# KiCad board helios-panel.kicad_pcb (continued)
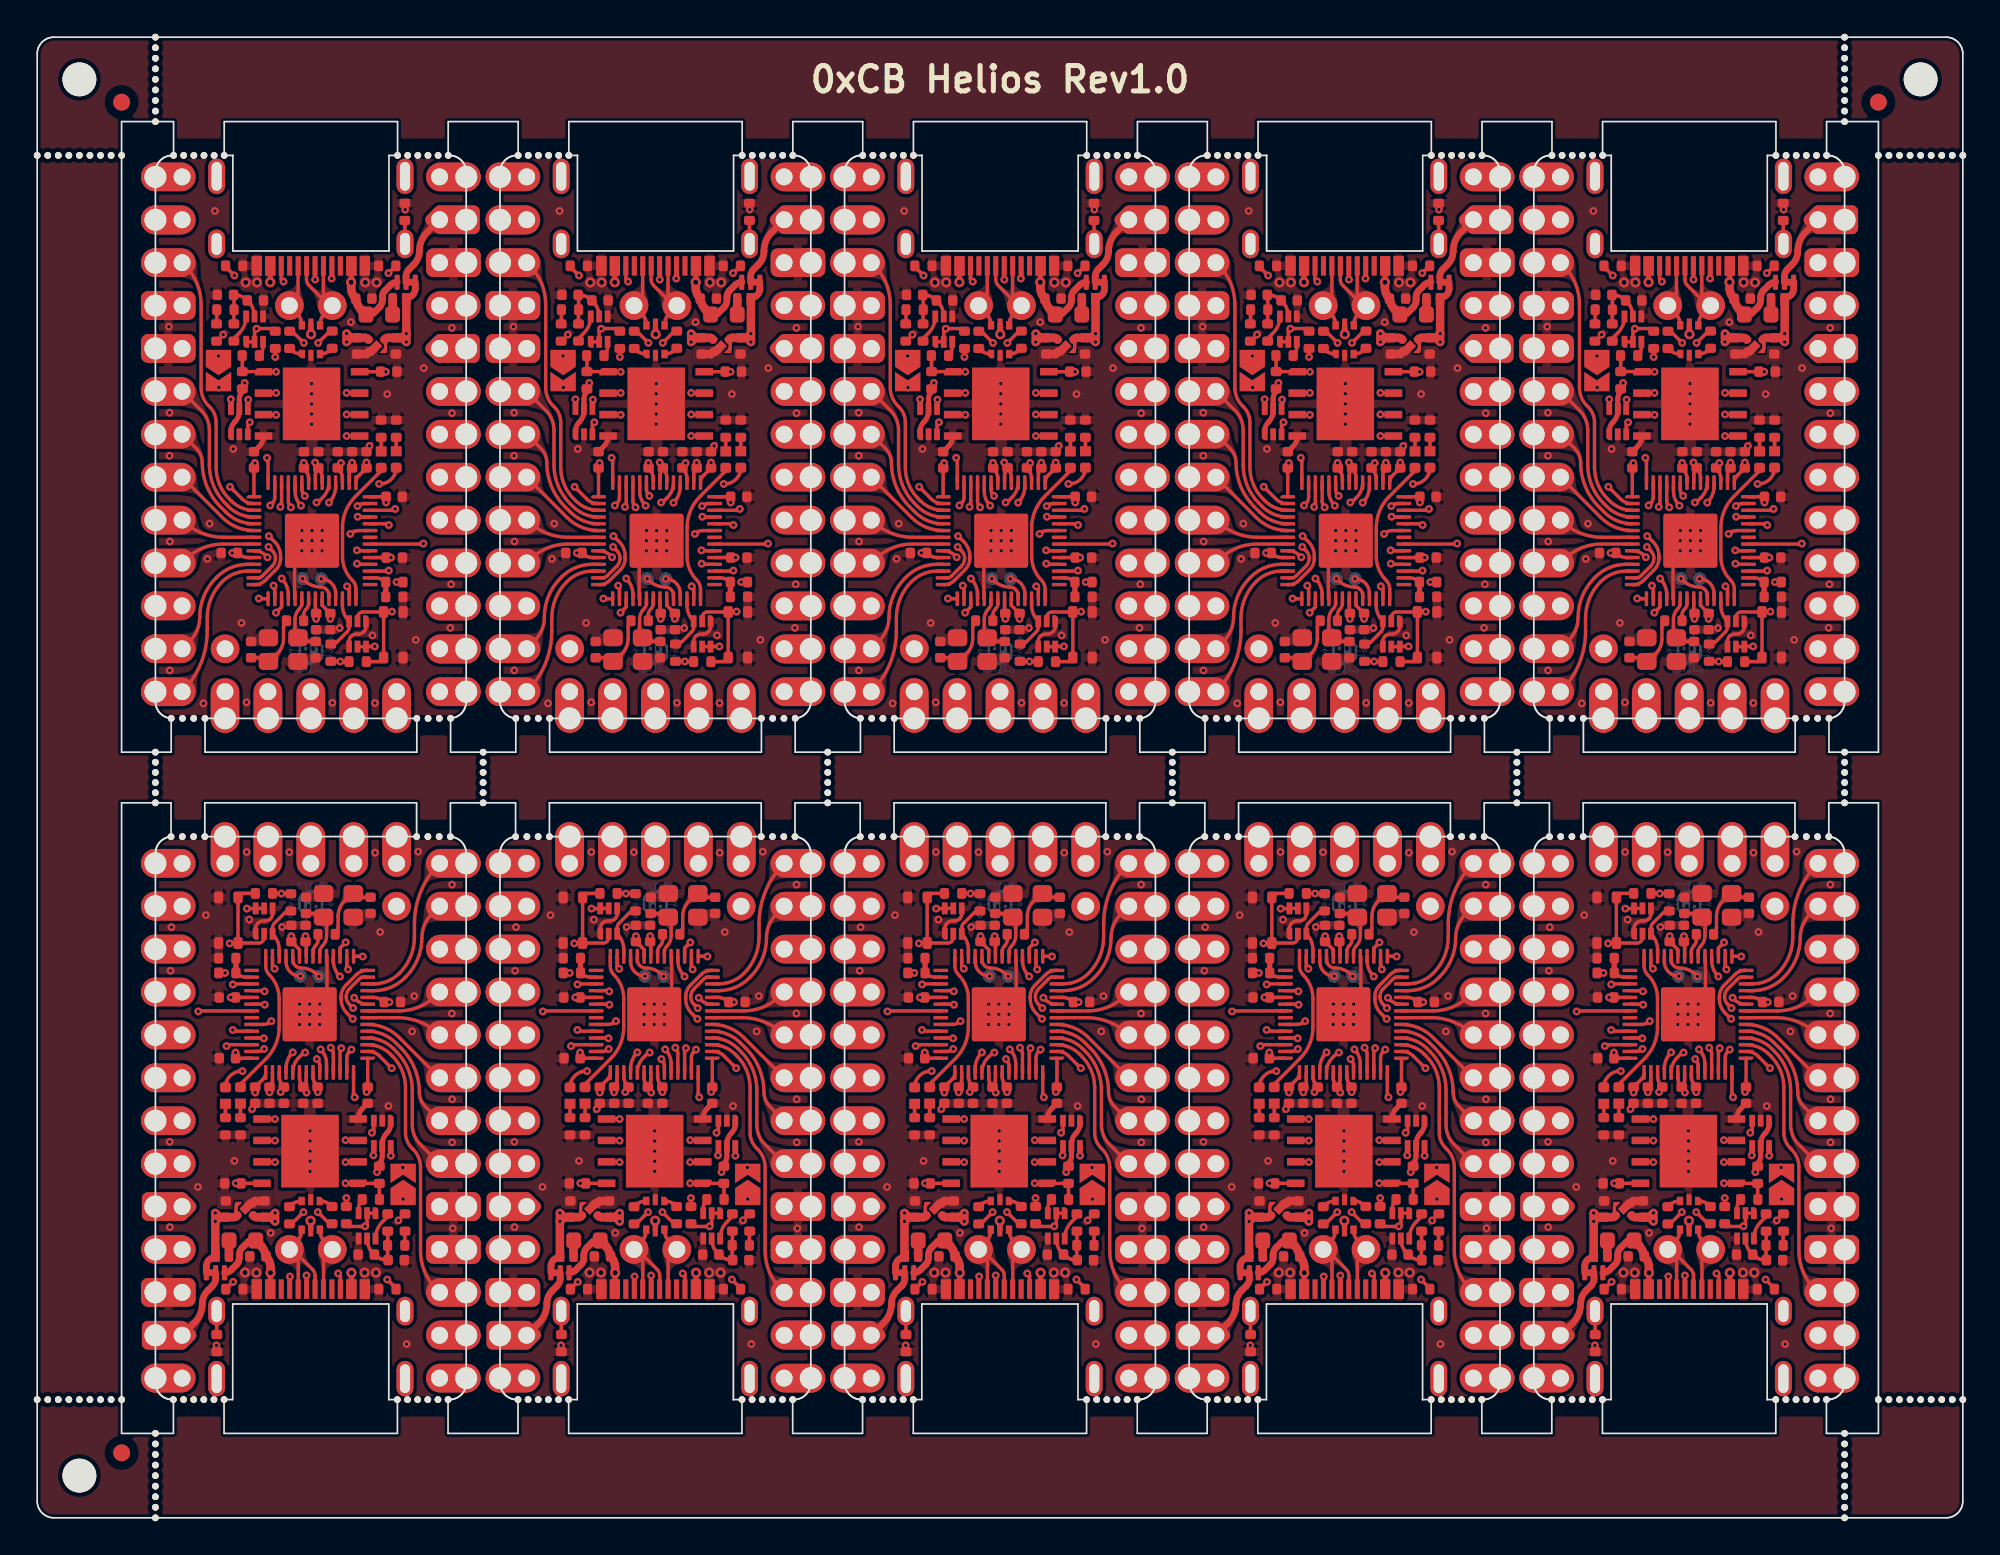
[diagram p0: board, top side]
## Routing (per net, layer and track width the routed paths; a pad name or vN(x,y) marks a point on that pad's centre or on a via; arc(x,y) is an arc through that point) (continued)
Board_0-Net-(Q2A-D): length 1.7
  Top w0.2: R4.1 11.64,69.82 11.96,70.13 arc(12.26,70.59) Q2#2.6
Board_0-Net-(Q2B-G): length 3.7
  Top w0.2: R4.2 11.64,71.51 R5#7.1 11.66,72.37 C1#2.1 11.66,72.4 arc(12.08,72.32) C2#7.1 12.5,72.01 arc(12.77,71.61) Q2#2.5
Board_0-Net-(R5-Pad2): length 0.8
  Top w0.2: R6#6.1 10.64,70.7 10.64,71.53
Board_0-Net-(U4-XTAL_IN): length 3.6
  Top w0.2: C7#7.2 15.66,51.88 Y1#2.3 15.41,52.13 arc(15.3,52.29) 15.27,52.48 15.27,53.19 arc(15.33,53.53) 15.52,53.82 arc(15.63,53.98) 15.67,54.17 U4#7.20
Board_0-Net-(U4-XTAL_OUT): length 1.4
  Top w0.2: R14.2 15.77,53.44 arc(15.81,53.63) 15.92,53.79 15.92,53.79 arc(16.03,53.96) 16.07,54.15 U4#7.21
Board_0-VBUS: length 32.1
  Top w0.2: v1(21.27,55.4) R16#7.1
  Top w0.3: v2(18.59,73.15) 18.59,73.16 18.59,74.12 ; v2(13.8,73.15) 13.8,74.12
  Top w0.4: F1.1 19.71,71.24 arc(19.82,71.26) 19.92,71.33 20.26,71.66 arc(20.39,71.86) 20.44,72.1 20.44,72.29 arc(20.47,72.48) 20.59,72.65 20.92,72.99 arc(21.1,73.11) JP2#7.3
  Top w0.5: v2(18.59,73.15) 18.59,72.83 arc(18.66,72.48) C3#4.1 18.88,72.16 18.88,72.15 arc(18.97,71.82) 19.17,71.54 F1.1
  In2.Cu w0.2: v1(21.27,55.4) arc(21.8,56.18) 21.98,57.1 21.98,64.96 arc(21.1,69.39) v2(18.59,73.15)
  In2.Cu w0.5: v2(13.8,73.15) arc(14.06,73.8) 14.71,74.07 17.67,74.07 arc(18.32,73.8) v2(18.59,73.15)
Board_1-+1V1: length 15.7
  Top w0.2: v1(36.19,62.46) 36.2,62.45 C17#6.1 arc(36.4,61.86) 36.47,61.5 U4#9.50 ; v1(38.38,62.45) 38.2,62.26 C10#4.2 arc(38.4,61.86) 38.47,61.5 U4#9.45 ; U4#9.23 37.27,54.02 37.75,53.54 C19#8.1 v1(37.76,53.22)
  In2.Cu w0.2: v1(36.19,62.46) 37.23,61.42 ; 37.23,61.42 37.87,60.77 arc(38.15,60.36) 38.24,59.87 38.24,54.4 arc(38.12,53.76) v1(37.76,53.22) ; 37.23,61.42 38.26,62.45 v1(38.38,62.45)
Board_1-+3V3: length 21.3
  Top w0.2: 40.08,56.85 v1(41.34,56.85) ; 40.55,67.85 v1(41.05,67.85) 41.04,67.85 U3#5.8 ; v1(36.85,62.48) 37.05,62.29 C14.1 ; U4#9.1 33.23,62.16 C16#3.1 33.23,62.39 v1(33.3,62.45) ; v1(31.95,57.12) C15#8.1 arc(32.55,56.92) 32.91,56.85 U4#9.10 ; R2.1 v1(34.49,68.72) ; R3#6.1 37.8,50.7 v1(38.34,50.7) 38.35,50.69 R1#7.1 ; v1(39.9,62.48) C18#7.1 39.44,61.71 arc(39.32,61.52) U4#9.43 ; v1(39.05,62.47) C9#9.2 38.93,62.04 arc(38.89,61.98) 38.87,61.9 U4#9.44 ; v1(36.91,53.22) C11#4.1 36.87,53.58 U4#9.22 ; v1(32.69,67.19) 32.69,66.98 R11#2.1 ; 40.08,60.45 C13#6.1 v1(41.05,60.11) ; U4#9.48 37.27,61.62 arc(37.21,61.91) C14.1 ; U4#9.49 36.87,61.74 arc(36.92,61.97) C14.1
  Top w0.3: R11#2.1 32.55,66.66 32.49,66.61 arc(32.4,66.43) 32.37,66.24 U5#3.5 32.37,65.53 arc(32.3,65.18) 32.1,64.88 32.09,64.87 arc(31.93,64.63) 31.87,64.34 U5#3.1
  Top w0.5: 40.02,69.75 39.97,69.8 arc(39.9,69.84) 39.83,69.86 C5#7.1 38.97,69.86 ; 38.97,69.86 v1(38.72,70.11) v1(38.72,69.61) 38.97,69.86
  vias: v1(31.13,68.79)
Board_1-+5V: length 20.9
  Top w0.2: U2#6.3 40.97,69.1 arc(41.01,69.16) 41.02,69.24 41.02,69.53 arc(41.01,69.61) 40.97,69.67 U2#6.4
  Top w0.3: v2(36.62,70.07) 36.6,70.08 U1#10.5 ; v1(31.87,66.22) 31.87,66.22 U5#3.6
  Top w0.4: JP2#6.1 42.78,72.77 arc(42.63,72.4) 42.26,72.24
  Top w0.5: 42.01,69.86 v1(42.26,70.11) ; 42.01,69.86 v1(42.26,69.61) v1(42.26,70.11) ; 42.01,69.86 C4#7.1 41.14,69.86 arc(41.07,69.84) 41,69.8 40.95,69.75 ; v1(42.26,70.11) 42.26,72.24 42.24,72.23 D3#9.1
  In1.Cu w0.3: v1(42.26,69.61) 41.96,69.32 arc(41.6,69.08) 41.17,68.99 39,68.99 arc(38.49,69.09) 38.05,69.38 37.63,69.8 arc(37.32,70.01) 36.95,70.08 36.63,70.08 v2(36.62,70.07) 36.6,70.08 35.39,70.08 arc(34.06,69.82) 32.93,69.06 arc(32.14,67.89) 31.87,66.5 v1(31.87,66.22)
Board_1-/0_TX0: length 18.4
  Top w0.2: U4#9.2 33.18,60.05 arc(32.83,60.12) 32.54,60.32 v1(31.81,61.04)
  In1.Cu w0.2: J2.2 28.98,76.28 arc(29.02,76.09) 29.13,75.93 29.16,75.89 arc(30.05,74.56) 30.37,72.98 30.37,63.75 arc(30.55,62.84) 31.06,62.07 31.62,61.51 arc(31.76,61.29) v1(31.81,61.04)
Board_1-/1_RX0: length 16.4
  Top w0.2: J2.3 29.16,74.13 arc(29.86,73.08) 30.1,71.85 30.1,66.89 arc(30.22,66.33) 30.54,65.85 30.62,65.76 arc(30.9,65.35) 30.99,64.86 30.99,62.19 arc(31.2,61.18) 31.77,60.33 31.89,60.21 arc(32.5,59.79) U4#9.3
Board_1-/2_SDA1: length 9.4
  Top w0.2: J2.6 30.12,65.55 arc(30.47,65.02) 30.59,64.4 30.59,62.33 arc(30.84,61.1) 31.54,60.06 31.72,59.88 arc(32.41,59.41) U4#9.4
Board_1-/3_SCL1: length 7.3
  Top w0.2: J2.7 29.82,63.31 arc(30.08,62.92) 30.17,62.45 arc(30.45,61.05) 31.25,59.86 31.57,59.54 arc(32.33,59.03) U4#9.5
Board_1-/4: length 5.4
  Top w0.2: J2.8 31.37,59.22 arc(32.22,58.65) U4#9.6
Board_1-/5: length 4.5
  Top w0.2: U4#9.7 31.44,58.05 arc(30.11,58.32) J2.9
Board_1-/6: length 4.6
  Top w0.2: U4#9.8 31.39,57.65 arc(30.2,57.41) 29.19,56.74 J2.10
Board_1-/7: length 6.9
  Top w0.2: U4#9.9 33.27,57.25 arc(33.63,57.18) 33.93,56.97 v1(34.03,56.87)
  In2.Cu w0.2: v1(34.03,56.87) 32.69,55.53 arc(30.99,54.39) J2.11
Board_1-/8: length 7.3
  Top w0.2: U4#9.11 32.85,56.45 arc(31.88,56.26) 31.05,55.71 30.98,55.64 arc(30.27,54.58) 30.02,53.32 arc(29.87,52.56) 29.44,51.91 J2.12
Board_1-/9: length 9.2
  Top w0.2: U4#9.12 32.87,56.05 arc(32.05,55.89) 31.36,55.42 arc(30.7,54.43) 30.47,53.27 30.47,52.5 arc(30.08,50.55) J2.13
Board_1-/10: length 26.5
  Top w0.2: v1(34.09,57.48) 34.33,57.24 arc(34.46,57.05) 34.51,56.82 arc(34.46,56.56) 34.31,56.34 33.74,55.77 arc(33.61,55.68) 33.46,55.65 U4#9.13
  In2.Cu w0.2: v1(34.09,57.48) 34.06,57.48 30.78,60.76 arc(30.37,61.38) 30.23,62.1 30.23,76.38 arc(29.9,78.01) J2.1
Board_1-/11: length 38
  Top w0.2: U4#9.14 33.32,55.25 arc(33.62,55.31) 33.88,55.48 34.53,56.13 arc(34.74,56.44) 34.81,56.8 34.81,56.93 arc(34.72,57.4) 34.45,57.79 34.13,58.12 v1(34.12,58.12)
  In1.Cu w0.2: v1(34.12,58.12) 34.12,58.31 arc(34.02,58.53) 33.8,58.62 arc(32.94,58.98) 32.59,59.84 32.59,60.07 arc(32.42,60.9) 31.95,61.6 31.29,62.26 arc(30.83,62.96) 30.66,63.78 30.66,72.27 arc(31.22,73.6) 32.55,74.15 41.83,74.15 arc(42.66,74.49) 43.01,75.33 43.01,76.46 arc(43.32,78.04) J2.31
Board_1-/12: length 6.6
  Top w0.2: v1(33.52,54.42) 33.53,54.41 U4#9.15
  In1.Cu w0.2: v1(33.52,54.42) 33.52,53.74 arc(33,51.13) J2.14
Board_1-/13: length 7.2
  Top w0.2: U4#9.16 34.47,55.11 v1(34.4,55.19)
  In1.Cu w0.2: J2.15 34.06,54.38 arc(34.15,54.82) v1(34.4,55.19)
Board_1-/14: length 6.2
  Top w0.2: v1(34.53,53.59) 34.87,53.92 U4#9.17
  In1.Cu w0.2: J2.16 36.38,49.13 arc(35.02,51.17) v1(34.53,53.59)
Board_1-/15: length 9.5
  Top w0.2: U4#9.18 35.27,54.66 arc(35.17,55.17) v1(34.88,55.61)
  In1.Cu w0.2: J2.17 36.6,51.45 arc(35.77,52.7) 35.48,54.16 arc(35.32,54.95) v1(34.88,55.61)
Board_1-/16: length 7.9
  Top w0.2: U4#9.27 38.87,55.02 v1(38.74,55.15)
  In1.Cu w0.2: J2.18 41.08,49.51 arc(39.35,52.1) v1(38.74,55.15)
Board_1-/20_SDI: length 4.9
  Top w0.2: v1(41.22,56.08) 41.19,56.05 U4#9.31
  In1.Cu w0.2: J2.21 42.78,55.43 arc(42.06,55.91) v1(41.22,56.08)
Board_1-/21_CS: length 10.1
  Top w0.2: v1(39.34,56.49) 39.38,56.45 U4#9.32
  In1.Cu w0.2: J2.19 41.32,51.81 arc(40.02,53.64) 39.39,55.78 39.39,56.44 v1(39.34,56.49)
Board_1-/22_SCK: length 5.9
  Top w0.2: U4#9.34 39.35,57.25 v1(39.33,57.28)
  In1.Cu w0.2: v1(39.33,57.28) 39.37,57.32 42.3,57.32 arc(43.34,57.12) J2.22
Board_1-/23_SDO: length 9.8
  Top w0.2: U4#9.35 43.23,57.65 v1(43.27,57.68)
  In2.Cu w0.2: v1(43.27,57.68) 43.13,57.55 43.13,53.83 arc(43.37,52.63) 44.05,51.62 J2.20
Board_1-/A0: length 4.2
  Top w0.2: U4#9.38 41.15,58.85 v1(41.22,58.77)
  In1.Cu w0.2: v1(41.22,58.77) 43.51,58.77 arc(43.89,58.85) J2.23
Board_1-/A1: length 6.5
  Top w0.2: v1(39.38,59.27) 39.4,59.25 U4#9.39
  In1.Cu w0.2: J2.24 42.12,59.51 arc(41.83,59.32) 41.49,59.25 39.4,59.25 v1(39.38,59.27)
Board_1-/A2: length 6.8
  Top w0.2: U4#9.40 41.52,59.65 v1(41.59,59.73)
  In1.Cu w0.2: J2.25 42.86,62.79 arc(41.92,61.39) v1(41.59,59.73)
Board_1-/A3: length 9.7
  Top w0.2: v1(39.37,59.9) 39.37,59.9 arc(39.53,60.01) 39.72,60.05 U4#9.41
  In1.Cu w0.2: J2.26 42.4,64.87 arc(41.71,63.83) 41.47,62.61 41.47,62.11 arc(41.3,61.26) 40.81,60.54 40.75,60.47 arc(40.11,60.05) v1(39.37,59.9)
Board_1-/BOOT: length 0.9
  Top w0.2: Q2#4.3 33.77,69.33 arc(33.71,69.05) R9#3.2
Board_1-/D+: length 12.7
  Top w0.2: v1(36.19,69.56) 35.49,70.25 R12#3.2 ; v1(36.94,60.11) 37.01,60.11 37.3,60.4 arc(37.57,60.81) U4#9.47
  In1.Cu w0.2: v1(36.19,69.56) 36.81,68.93 arc(37.29,68.21) 37.46,67.37 37.46,66.51 37.46,62.62 arc(37.42,62.43) 37.31,62.27 37.22,62.17 arc(37.11,62.01) 37.07,61.82 37.07,60.25 v1(36.94,60.11)
Board_1-/D-: length 12.7
  Top w0.2: v1(37.03,69.56) 37.73,70.26 R13#7.2 ; U4#9.46 38.07,61.07 arc(37.97,60.54) v1(37.67,60.1)
  In1.Cu w0.2: v1(37.03,69.56) 37.03,69.55 arc(37.07,69.36) 37.18,69.2 arc(37.72,68.39) 37.91,67.44 37.91,66.13 arc(37.94,66.06) 38,66.04 arc(38.06,66.01) 38.09,65.95 38.09,65.83 arc(38.06,65.76) 38,65.74 37.91,65.74 37.91,65.73 37.85,65.73 arc(37.8,65.71) 37.78,65.66 37.78,65.49 arc(37.8,65.44) 37.85,65.43 arc(37.89,65.41) 37.91,65.36 37.91,62.44 arc(37.87,62.25) 37.76,62.08 37.67,61.99 arc(37.56,61.83) 37.52,61.63 37.52,60.45 arc(37.56,60.26) 37.67,60.1 v1(37.67,60.1)
Board_1-/LED: length 8.8
  Top w0.2: D2#6.2 40.77,61.99 39.24,60.47 arc(38.67,59.62) 38.48,58.62 38.48,56.92 arc(38.63,56.15) 39.06,55.5 arc(39.22,55.27) 39.27,55 U4#9.28
Board_1-/PORT+: length 7.1
  Top w0.2: 36.84,74.12 36.84,73.32 v1(36.85,73.31) ; U1#10.6 36.07,70.62 arc(35.99,71) 35.77,71.33 J2.34 35.84,72.28 35.84,74.12
  In1.Cu w0.2: J2.34 35.49,71.77 36.85,73.13 v1(36.85,73.31)
Board_1-/PORT-: length 7.1
  Top w0.2: J2.33 37.44,71.34 arc(37.22,71.01) 37.14,70.63 U1#10.4 ; J2.33 37.34,72.29 37.34,74.12 ; J2.33 37.69,71.77 36.49,72.96 arc(36.38,73.13) 36.34,73.32 36.34,74.12
Board_1-/QSPI_CLK: length 11.3
  Top w0.2: U4#9.52 35.67,60.77 arc(35.76,60.31) v1(36.02,59.92) ; v1(38.72,65.32) 38.73,65.31 U3#5.6
  In2.Cu w0.2: v1(36.02,59.92) 36.02,60.02 arc(35.56,60.72) 35.4,61.53 35.4,62.81 arc(35.57,63.23) 35.99,63.4 38.69,63.4 arc(39.05,63.55) 39.19,63.9 39.19,64.18 arc(39.07,64.8) v1(38.72,65.32)
Board_1-/QSPI_CS: length 9.8
  Top w0.2: v1(34.01,62.76) 34.07,62.69 34.07,61.31 ; R9#3.1 32.55,68.8 R11#2.2 33.8,67.86 U3#5.1 34.54,67.85 v1(34.55,67.85)
  In2.Cu w0.2: v1(34.01,62.76) arc(33.83,63.02) 33.77,63.32 33.77,65.98 arc(33.97,66.99) v1(34.55,67.85)
Board_1-/QSPI_SD0: length 11.3
  Top w0.2: v1(35.42,59.82) 35.42,59.83 arc(35.31,59.99) 35.27,60.18 U4#9.53 ; v1(38.72,64.05) 38.73,64.04 U3#5.5
  In2.Cu w0.2: v1(35.42,59.82) 35.42,59.9 arc(35.18,60.26) 35.09,60.68 35.09,62.86 arc(35.34,63.45) 35.93,63.7 36.77,63.7 arc(36.87,63.74) 36.91,63.85 36.91,64.1 arc(36.96,64.21) 37.06,64.25 arc(37.17,64.21) 37.22,64.1 37.22,63.85 arc(37.26,63.74) 37.37,63.7 arc(37.47,63.74) 37.52,63.85 37.52,64.1 arc(37.56,64.21) 37.66,64.25 arc(37.77,64.21) 37.81,64.1 37.81,63.85 arc(37.86,63.74) 37.97,63.7 arc(38.34,63.77) 38.66,63.99 v1(38.72,64.05)
Board_1-/QSPI_SD1: length 11.4
  Top w0.2: v1(34.2,59.94) 34.32,60.06 arc(34.43,60.23) 34.47,60.42 U4#9.55 ; U3#5.2 34.53,66.58 v1(34.55,66.6)
  In2.Cu w0.2: v1(34.2,59.94) 34.36,60.1 arc(34.46,60.25) 34.49,60.42 arc(34.45,60.53) 34.34,60.57 34.24,60.57 arc(34.14,60.61) 34.09,60.72 arc(34.14,60.83) 34.24,60.87 34.34,60.87 arc(34.45,60.91) 34.49,61.02 arc(34.45,61.13) 34.34,61.17 34.24,61.17 arc(34.14,61.21) 34.09,61.32 arc(34.14,61.43) 34.24,61.47 34.34,61.47 arc(34.45,61.51) 34.49,61.62 arc(34.45,61.73) 34.34,61.77 34.24,61.77 arc(34.14,61.81) 34.09,61.92 arc(34.14,62.03) 34.24,62.07 34.34,62.07 arc(34.45,62.11) 34.49,62.22 34.49,62.78 arc(34.46,62.97) 34.35,63.13 34.22,63.26 arc(34.11,63.43) 34.07,63.62 34.07,63.96 arc(34.11,64.06) 34.22,64.11 34.32,64.11 arc(34.43,64.15) 34.47,64.26 arc(34.43,64.36) 34.32,64.41 34.22,64.41 arc(34.11,64.45) 34.07,64.56 34.07,65.46 arc(34.19,66.07) v1(34.55,66.6)
Board_1-/QSPI_SD2: length 11.3
  Top w0.2: v1(34.8,59.85) 34.87,59.92 U4#9.54 ; v1(34.55,65.3) 34.53,65.31 U3#5.3
  In2.Cu w0.2: v1(34.8,59.85) 34.8,63.85 arc(34.84,63.96) 34.95,64 35.65,64 arc(35.75,64.04) 35.8,64.15 arc(35.75,64.26) 35.65,64.3 34.95,64.3 arc(34.84,64.34) 34.8,64.45 arc(34.84,64.56) 34.95,64.6 35.65,64.6 arc(35.75,64.64) 35.8,64.75 arc(35.75,64.86) 35.65,64.9 34.95,64.9 arc(34.84,64.94) 34.8,65.05 v1(34.55,65.3)
Board_1-/QSPI_SD3: length 11.4
  Top w0.2: v1(38.72,66.6) 38.73,66.58 U3#5.7 ; v1(36.24,60.5) 36.22,60.53 arc(36.11,60.69) 36.07,60.88 U4#9.51
  In2.Cu w0.2: v1(36.24,60.5) arc(35.84,61.11) 35.7,61.82 35.7,62.75 arc(35.79,62.98) 36.03,63.08 38.71,63.08 arc(39.29,63.32) 39.53,63.9 39.53,64.63 arc(39.32,65.7) v1(38.72,66.6)
Board_1-/RAW: length 4.4
  Top w0.4: JP2#6.2 42.23,73.48 arc(42.28,73.72) 42.42,73.92 42.7,74.21 arc(42.94,74.56) 43.02,74.98 arc(43.15,75.6) 43.5,76.13 J2.30
Board_1-/RESET: length 25.2
  Top w0.2: SW1.2 SW1.2 40.67,50.69 R1#7.2 ; SW1.2 39.68,53.63 arc(39.46,53.54) 39.37,53.31 Q1#9.2 ; SW1.2 41.38,53.63 v1(41.41,53.65)
  In2.Cu w0.2: v1(41.41,53.65) arc(42.35,55.06) 42.68,56.73 42.68,68.05 arc(43.08,70.06) J2.28
Board_1-/RGB_5V: length 17.5
  Top w0.2: U5#3.4 32.87,66.17 v1(32.9,66.2)
  In2.Cu w0.2: v1(32.9,66.2) arc(32.61,65.77) 32.51,65.27 32.51,61.78 arc(32.74,60.62) 33.4,59.64 34.67,58.37 arc(34.98,57.9) 35.09,57.35 arc(34.97,56.74) 34.62,56.22 32.71,54.32 arc(31.83,53) J2.32
Board_1-/RGB_DO: length 15.4
  Top w0.2: U4#9.37 39.42,58.45 arc(39.16,58.4) v1(38.94,58.25) ; U5#3.3 32.87,64.75 v1(32.98,64.86)
  In1.Cu w0.2: v1(32.98,64.86) 32.19,64.86 arc(31.54,64.59) 31.27,63.93 arc(31.41,63.2) 31.83,62.58 32.6,61.8 arc(33.04,61.15) 33.19,60.38 33.19,59.87 arc(33.38,59.41) 33.83,59.22 37.31,59.22 arc(37.91,59.1) 38.42,58.76 v1(38.94,58.25)
Board_1-/RST: length 3.3
  Top w0.2: U4#9.26 38.47,54.03 arc(38.57,53.52) Q1#9.3 38.87,52.74 arc(38.83,52.58) 38.75,52.45 38.14,51.85 arc(38.01,51.76) 37.86,51.73 R3#6.2
Board_1-/SWD_CLK: length 2.2
  Top w0.2: v1(36.12,55.6) 36.21,55.51 arc(36.65,55.21) 37.17,55.11 arc(37.52,54.96) 37.67,54.61 U4#9.24
Board_1-/SWD_IO: length 1.7
  Top w0.2: U4#9.25 38.07,54.74 arc(37.82,55.34) v1(37.22,55.59)
Board_1-/USB+: length 0.8
  Top w0.2: R12#3.1 35.4,69.18 arc(35.7,68.97) U1#10.1
Board_1-/USB-: length 0.8
  Top w0.2: R13#7.1 37.8,69.17 arc(37.5,68.97) U1#10.3
Board_1-GND: length 8.2
  Top w0.2: Q1#9.4 38.87,51.9 arc(38.9,52.06) 38.98,52.19 39,52.2 arc(39.13,52.29) 39.28,52.32 39.43,52.32 arc(39.58,52.35) 39.71,52.44 39.75,52.47 arc(39.83,52.6) 39.87,52.76 Q1#9.1 ; v1(36.67,57.85) 35.64,56.82 35.64,54.44 U4#9.19
  Top w0.3: C16#3.2 33.55,63.43 arc(33.73,63.71) U3#5.4
  Top w0.5: C5#7.2 39.9,68.9 U2#6.2 40.16,69.05 40.31,69.2
  vias: v1(28.2,70.52) v1(28.23,65.43) v1(28.23,62.88) v1(28.24,50.17) v1(28.26,57.8) v1(30.24,48.22) v1(30.48,56.77) v1(30.6,58.86) v1(30.92,77.37) v1(31.41,70.05) v1(32.01,63.28) v1(32.49,52.98) v1(32.8,48.28) v1(36.08,58.45) v1(36.07,57.85) v1(36.06,57.25) v1(36.65,67.15) v1(36.65,66.55) v1(36.65,65.95) v1(36.65,65.35) v1(36.65,64.75) v1(36.67,58.45) v1(36.67,57.25) v1(37.27,58.45) v1(37.27,57.85) v1(37.27,57.25) v1(37.88,48.25) v1(38.3,52.68) v1(38.98,70.79) v1(40.08,63.46) v1(40.24,52.24) v1(40.4,48.24) v1(41.12,66.53) v1(42.19,77.45) v1(42.81,51.98) v1(43.28,68.07) v1(44.95,70.45) v1(44.91,55.27) v1(44.85,52.69) v1(44.95,65.4) v2(32.74,73.14) v2(33.41,73.14) v2(39.83,73.14) v2(40.49,73.14)
Board_1-Net-(C8-Pad2): length 3.9
  Top w0.2: R14#4.1 35.13,53.09 arc(35.02,52.92) 34.98,52.73 34.98,52.06 arc(34.89,51.56) 34.61,51.14 34.16,50.7 Y1#4.1 33.87,50.92 C8#3.2
Board_1-Net-(D1-A): length 22.4
  Top w0.2: v1(40.65,61.21) 40.69,61.21 arc(41.37,61.49) D1#3.2 ; JP1#2.2 31.16,67.17 v1(31.16,66.92)
  In1.Cu w0.2: v1(40.65,61.21) 39.54,61.21 arc(39.07,61.12) 38.68,60.85 arc(38.46,60.53) 38.38,60.15 arc(38.5,59.57) 38.83,59.08 39.28,58.63 arc(39.42,58.27) 39.28,57.92 39.26,57.9 arc(38.91,57.76) 38.55,57.9 37.73,58.73 arc(37.51,58.87) 37.26,58.92 33.81,58.92 arc(33.16,59.2) 32.89,59.85 32.89,60.24 arc(32.73,61.03) 32.28,61.7 31.53,62.45 arc(31.11,63.08) 30.97,63.82 30.97,66.49 arc(31.01,66.72) 31.14,66.92 v1(31.16,66.92)
Board_1-Net-(D1-K): length 0.8
  Top w0.2: D1#3.1 R10#2.1
Board_1-Net-(D2-K): length 0.8
  Top w0.2: D2#6.1 R15#9.1
Board_1-Net-(D3-A): length 0.9
  Top w0.5: D3#9.2 41.45,71.24 F1#2.2
Board_1-Net-(J1-CC1): length 4.8
  Top w0.2: v1(37.84,73.37) 37.84,73.38 37.84,74.12 ; v1(41.2,73.69) 41.2,73.69 R7.2
  In1.Cu w0.2: v1(41.2,73.69) 41.18,73.67 38.57,73.67 arc(38.17,73.6) v1(37.84,73.37)
Board_1-Net-(J1-CC2): length 4.9
  Top w0.2: R8#2.2 31.55,74.07 v1(32.08,73.55) ; v1(34.98,73.19) 34.84,73.33 34.84,74.12
  In1.Cu w0.2: v1(32.08,73.55) 32.11,73.59 arc(32.21,73.65) 32.32,73.67 34.38,73.67 arc(34.49,73.65) 34.59,73.59 v1(34.98,73.19)
Board_1-Net-(J1-SHIELD): length 1.4
  Top w0.2: 42.17,75.42 42.17,76.8 FB1#2.1
Board_1-Net-(Q1A-D): length 26.6
  Top w0.2: Q2#4.1 Q2#4.2 33.27,70.28 v1(33.38,70.4) 33.4,70.41 34.34,70.41 R2.2 ; v1(40.38,51.59) 39.88,51.59 Q1#9.6 Q1#9.5
  In2.Cu w0.2: v1(40.38,51.59) 39.99,51.59 arc(38.04,51.98) 36.38,53.08 arc(35.65,54.18) 35.39,55.48 35.39,57.44 arc(35.27,58.02) 34.94,58.52 33.69,59.77 arc(33.04,60.74) 32.81,61.89 32.81,62.87 arc(32.9,63.34) 33.17,63.74 arc(33.39,64.07) 33.47,64.46 33.47,70.32 v1(33.38,70.4)
Board_1-Net-(Q2A-D): length 1.7
  Top w0.2: R4#2.1 32.05,69.82 32.36,70.13 arc(32.66,70.59) Q2#4.6
Board_1-Net-(Q2B-G): length 3.7
  Top w0.2: R4#2.2 32.05,71.51 R5#8.1 32.05,72.37 C1.1 32.06,72.4 arc(32.48,72.32) C2#9.1 32.9,72.01 arc(33.17,71.61) Q2#4.5
Board_1-Net-(R5-Pad2): length 0.8
  Top w0.2: R6#7.1 31.03,70.7 R5#8.2
Board_1-Net-(U4-XTAL_IN): length 3.6
  Top w0.2: C7#9.2 36.06,51.88 Y1#4.3 35.81,52.13 arc(35.7,52.29) 35.66,52.48 35.66,53.19 arc(35.73,53.53) 35.92,53.82 arc(36.03,53.98) 36.07,54.17 U4#9.20
Board_1-Net-(U4-XTAL_OUT): length 1.4
  Top w0.2: R14#4.2 36.17,53.44 arc(36.21,53.63) 36.32,53.79 36.32,53.79 arc(36.43,53.96) 36.47,54.15 U4#9.21
Board_1-VBUS: length 32.1
  Top w0.2: v1(41.67,55.4) R16#9.1
  Top w0.3: v2(38.98,73.15) 38.99,73.16 38.99,74.12 ; v2(34.2,73.15) 34.2,74.12
  Top w0.4: F1#2.1 40.11,71.24 arc(40.22,71.26) 40.32,71.33 40.66,71.66 arc(40.79,71.86) 40.84,72.1 40.84,72.29 arc(40.87,72.48) 40.99,72.65 41.32,72.99 arc(41.5,73.11) JP2#6.3
  Top w0.5: v2(38.98,73.15) 38.98,72.83 arc(39.06,72.48) C3#7.1 39.28,72.16 39.28,72.15 arc(39.37,71.82) 39.57,71.54 F1#2.1
  In2.Cu w0.2: v1(41.67,55.4) arc(42.2,56.18) 42.38,57.1 42.38,64.96 arc(41.5,69.39) v2(38.98,73.15)
  In2.Cu w0.5: v2(34.2,73.15) arc(34.46,73.8) 35.11,74.07 38.07,74.07 arc(38.72,73.8) v2(38.98,73.15)
Board_2-+1V1: length 15.7
  Top w0.2: v1(56.58,62.46) 56.59,62.45 C17#8.1 arc(56.8,61.86) 56.87,61.5 U4#3.50 ; v1(58.78,62.45) 58.59,62.26 C10#7.2 arc(58.8,61.86) 58.87,61.5 U4#3.45 ; U4#3.23 57.67,54.02 58.15,53.54 C19#3.1 v1(58.16,53.22)
  In2.Cu w0.2: v1(56.58,62.46) 57.62,61.42 ; 57.62,61.42 58.27,60.77 arc(58.55,60.36) 58.64,59.87 58.64,54.4 arc(58.52,53.76) v1(58.16,53.22) ; 57.62,61.42 58.66,62.45 v1(58.78,62.45)
Board_2-+3V3: length 21.3
  Top w0.2: 60.48,56.85 C12#6.1 v1(61.75,56.85) ; 60.94,67.85 v1(61.44,67.85) 61.44,67.85 U3#8.8 ; v1(57.25,62.48) 57.44,62.29 C14#2.1 ; U4#3.1 53.63,62.16 C16#5.1 53.64,62.39 v1(53.69,62.45) ; v1(52.34,57.12) C15#3.1 arc(52.95,56.92) 53.31,56.85 U4#3.10 ; R2#5.1 v1(54.89,68.72) ; R3.1 58.19,50.7 v1(58.75,50.7) 58.75,50.69 R1#8.1 ; v1(60.3,62.48) C18#2.1 59.84,61.71 arc(59.72,61.52) U4#3.43 ; v1(59.44,62.47) C9.2 59.33,62.04 arc(59.29,61.98) 59.27,61.9 U4#3.44 ; v1(57.31,53.22) C11#5.1 57.27,53.58 U4#3.22 ; v1(53.08,67.19) 53.08,66.98 R11#3.1 ; 60.48,60.45 C13#7.1 v1(61.45,60.11) ; U4#3.48 57.67,61.62 arc(57.61,61.91) C14#2.1 ; U4#3.49 57.27,61.74 arc(57.32,61.97) C14#2.1
  Top w0.3: R11#3.1 52.94,66.66 52.89,66.61 arc(52.8,66.43) 52.77,66.24 U5#6.5 52.77,65.53 arc(52.7,65.18) 52.5,64.88 52.49,64.87 arc(52.33,64.63) 52.27,64.34 U5#6.1
  Top w0.5: 60.42,69.75 60.37,69.8 arc(60.3,69.84) 60.23,69.86 C5#6.1 59.36,69.86 ; 59.36,69.86 v1(59.11,70.11) v1(59.11,69.61) 59.36,69.86
  vias: v1(51.53,68.79)
Board_2-+5V: length 20.9
  Top w0.2: U2#2.3 61.37,69.1 arc(61.41,69.16) 61.42,69.24 61.42,69.53 arc(61.41,69.61) 61.37,69.67 U2#2.4
  Top w0.3: v2(57.02,70.07) 57,70.08 U1.5 ; v1(52.27,66.22) 52.27,66.22 U5#6.6
  Top w0.4: JP2#3.1 63.19,72.77 arc(63.03,72.4) 62.66,72.24
  Top w0.5: 62.41,69.86 v1(62.66,70.11) ; 62.41,69.86 v1(62.66,69.61) v1(62.66,70.11) ; 62.41,69.86 C4#8.1 61.54,69.86 arc(61.47,69.84) 61.4,69.8 61.35,69.75 ; v1(62.66,70.11) 62.66,72.24 62.64,72.23 62.64,72.16
  In1.Cu w0.3: v1(62.66,69.61) 62.36,69.32 arc(62,69.08) 61.57,68.99 59.4,68.99 arc(58.89,69.09) 58.45,69.38 58.03,69.8 arc(57.72,70.01) 57.35,70.08 57.03,70.08 v2(57.02,70.07) 57,70.08 55.79,70.08 arc(54.46,69.82) 53.33,69.06 arc(52.54,67.89) 52.27,66.5 v1(52.27,66.22)
Board_2-/0_TX0: length 18.4
  Top w0.2: U4#3.2 53.58,60.05 arc(53.23,60.12) 52.94,60.32 v1(52.22,61.04)
  In1.Cu w0.2: J2#10.2 49.38,76.28 arc(49.42,76.09) 49.53,75.93 49.56,75.89 arc(50.45,74.56) 50.77,72.98 50.77,63.75 arc(50.95,62.84) 51.46,62.07 52.02,61.51 arc(52.16,61.29) v1(52.22,61.04)
Board_2-/1_RX0: length 16.4
  Top w0.2: J2#10.3 49.56,74.13 arc(50.26,73.08) 50.5,71.85 50.5,66.89 arc(50.62,66.33) 50.94,65.85 51.02,65.76 arc(51.3,65.35) 51.39,64.86 51.39,62.19 arc(51.6,61.18) 52.17,60.33 52.29,60.21 arc(52.9,59.79) U4#3.3
Board_2-/2_SDA1: length 9.4
  Top w0.2: J2#10.6 50.52,65.55 arc(50.87,65.02) 51,64.4 51,62.33 arc(51.24,61.1) 51.94,60.06 52.12,59.88 arc(52.81,59.41) U4#3.4
Board_2-/3_SCL1: length 7.3
  Top w0.2: J2#10.7 50.22,63.31 arc(50.48,62.92) 50.58,62.45 arc(50.85,61.05) 51.65,59.86 51.97,59.54 arc(52.73,59.03) U4#3.5
Board_2-/4: length 5.4
  Top w0.2: J2#10.8 51.77,59.22 arc(52.62,58.65) U4#3.6
Board_2-/5: length 4.5
  Top w0.2: U4#3.7 51.84,58.05 arc(50.51,58.32) J2#10.9
Board_2-/6: length 4.6
  Top w0.2: U4#3.8 51.79,57.65 arc(50.6,57.41) 49.59,56.74 J2#10.10
Board_2-/7: length 6.9
  Top w0.2: U4#3.9 53.67,57.25 arc(54.03,57.18) 54.33,56.97 v1(54.44,56.87)
  In2.Cu w0.2: v1(54.44,56.87) 53.09,55.53 arc(51.39,54.39) J2#10.11
Board_2-/8: length 7.3
  Top w0.2: U4#3.11 53.25,56.45 arc(52.28,56.26) 51.45,55.71 51.38,55.64 arc(50.67,54.58) 50.42,53.32 arc(50.27,52.56) 49.84,51.91 J2#10.12
Board_2-/9: length 9.2
  Top w0.2: U4#3.12 53.27,56.05 arc(52.45,55.89) 51.76,55.42 arc(51.1,54.43) 50.86,53.27 50.86,52.5 arc(50.48,50.55) J2#10.13
Board_2-/10: length 26.5
  Top w0.2: v1(54.5,57.48) 54.73,57.24 arc(54.86,57.05) 54.91,56.82 arc(54.86,56.56) 54.71,56.34 54.14,55.77 arc(54.01,55.68) 53.86,55.65 U4#3.13
  In2.Cu w0.2: v1(54.5,57.48) 54.46,57.48 51.18,60.76 arc(50.77,61.38) 50.62,62.1 50.62,76.38 arc(50.3,78.01) J2#10.1
Board_2-/11: length 38
  Top w0.2: U4#3.14 53.72,55.25 arc(54.02,55.31) 54.28,55.48 54.93,56.13 arc(55.14,56.44) 55.21,56.8 55.21,56.93 arc(55.12,57.4) 54.85,57.79 54.53,58.12 v1(54.52,58.12)
  In1.Cu w0.2: v1(54.52,58.12) 54.52,58.31 arc(54.42,58.53) 54.2,58.62 arc(53.34,58.98) 52.99,59.84 52.99,60.07 arc(52.82,60.9) 52.35,61.6 51.69,62.26 arc(51.23,62.96) 51.06,63.78 51.06,72.27 arc(51.62,73.6) 52.95,74.15 62.23,74.15 arc(63.06,74.49) 63.41,75.33 63.41,76.46 arc(63.72,78.04) J2#10.31
Board_2-/12: length 6.6
  Top w0.2: v1(53.92,54.42) 53.93,54.41 U4#3.15
  In1.Cu w0.2: v1(53.92,54.42) 53.92,53.74 arc(53.4,51.13) J2#10.14
Board_2-/13: length 7.2
  Top w0.2: U4#3.16 54.87,55.11 v1(54.8,55.19)
  In1.Cu w0.2: J2#10.15 54.46,54.38 arc(54.55,54.82) v1(54.8,55.19)
Board_2-/14: length 6.2
  Top w0.2: v1(54.94,53.59) 55.27,53.92 U4#3.17
  In1.Cu w0.2: J2#10.16 56.78,49.13 arc(55.42,51.17) v1(54.94,53.59)
Board_2-/15: length 9.5
  Top w0.2: U4#3.18 55.67,54.66 arc(55.57,55.17) v1(55.28,55.61)
  In1.Cu w0.2: J2#10.17 57,51.45 arc(56.17,52.7) 55.88,54.16 arc(55.72,54.95) v1(55.28,55.61)
Board_2-/16: length 7.9
  Top w0.2: U4#3.27 59.27,55.02 v1(59.14,55.15)
  In1.Cu w0.2: J2#10.18 61.48,49.51 arc(59.75,52.1) v1(59.14,55.15)
Board_2-/20_SDI: length 4.9
  Top w0.2: v1(61.61,56.08) 61.58,56.05 U4#3.31
  In1.Cu w0.2: J2#10.21 63.18,55.43 arc(62.46,55.91) v1(61.61,56.08)
Board_2-/21_CS: length 10.1
  Top w0.2: v1(59.73,56.49) 59.78,56.45 U4#3.32
  In1.Cu w0.2: J2#10.19 61.72,51.81 arc(60.42,53.64) 59.79,55.78 59.79,56.44 v1(59.73,56.49)
Board_2-/22_SCK: length 5.9
  Top w0.2: U4#3.34 59.75,57.25 v1(59.72,57.28)
  In1.Cu w0.2: v1(59.72,57.28) 59.77,57.32 62.7,57.32 arc(63.74,57.12) J2#10.22
Board_2-/23_SDO: length 9.8
  Top w0.2: U4#3.35 63.64,57.65 v1(63.67,57.68)
  In2.Cu w0.2: v1(63.67,57.68) 63.53,57.55 63.53,53.83 arc(63.77,52.63) 64.45,51.62 J2#10.20
Board_2-/A0: length 4.2
  Top w0.2: U4#3.38 61.55,58.85 v1(61.62,58.77)
  In1.Cu w0.2: v1(61.62,58.77) 63.91,58.77 arc(64.29,58.85) J2#10.23
Board_2-/A1: length 6.5
  Top w0.2: v1(59.78,59.27) 59.8,59.25 U4#3.39
  In1.Cu w0.2: J2#10.24 62.52,59.51 arc(62.23,59.32) 61.89,59.25 59.8,59.25 v1(59.78,59.27)
Board_2-/A2: length 6.8
  Top w0.2: U4#3.40 61.92,59.65 v1(62,59.73)
  In1.Cu w0.2: J2#10.25 63.26,62.79 arc(62.32,61.39) v1(62,59.73)
Board_2-/A3: length 9.7
  Top w0.2: v1(59.77,59.9) 59.77,59.9 arc(59.93,60.01) 60.12,60.05 U4#3.41
  In1.Cu w0.2: J2#10.26 62.8,64.87 arc(62.11,63.83) 61.86,62.61 61.86,62.11 arc(61.7,61.26) 61.21,60.54 61.15,60.47 arc(60.51,60.05) v1(59.77,59.9)